# Allegro board gps_interface_boardv51ph_smoothed.brd (continued)
## Routing (per net, layer and track width the routed paths; a pad name or vN(x,y) marks a point on that pad's centre or on a via; arc(x,y) is an arc through that point) (continued)
PG_3V5: length 18.1
  TOP w0.203: v1(6.78,46.1) 7.84,45.04 arc(8.08,44.88) 8.38,44.82 U6.31
  BOTTOM w0.203: v1(6.78,46.1) 7.07,45.8 arc(7.27,45.51) 7.34,45.16 7.34,33.18 R40.1 7.3,31.2 7.27,31.17 Q3.1
PG_5V: length 11.9
  TOP w0.165: 20.47,71.3 16.48,71.3 arc(16.16,71.23) 15.89,71.06 15.26,70.43 arc(15.1,70.31) 14.9,70.27 U7.4
  TOP w0.203: v1(21.08,71.93) 20.47,71.32 20.47,71.3
  BOTTOM w0.203: Q4.1 23.67,73.71 23.63,73.67 R50.1 v1(21.08,71.93)
PGOOD_P5V5: length 4.1
  TOP w0.508: R2660.1 4.71,22.21 arc(5.42,22.07) 6.02,21.67 U100.B2
PPS_OUT_N: length 3.6
  TOP w0.33: R12.1 16.31,128.3 arc(16.49,128.58) 16.56,128.9 16.56,130.46 16.5,130.52 U2.6
PPS_OUT_P: length 3.5
  TOP w0.33: R11.1 17.21,128.17 arc(17.12,128.31) 17.09,128.47 17.09,130.46 17.15,130.52 U2.7
R_N_SFP INTERFACE_SFP1: length 1.9
  TOP w0.254: U22.15 281.61,86.08 281.57,86.13 281.57,86.34 arc(281.54,86.48) 281.46,86.6 281.11,86.94 R130.2
R_N_SFP INTERFACE_SFP2: length 1.9
  TOP w0.254: U26.15 259.54,86.18 259.49,86.23 259.49,86.44 arc(259.46,86.58) 259.38,86.7 259.04,87.05 R151.2
R_N_SFP INTERFACE_SFP3: length 1.9
  TOP w0.254: R172.2 236.74,87.05 237.08,86.7 arc(237.16,86.58) 237.19,86.44 237.19,86.23 237.24,86.18 U30.15
R_N_SFP INTERFACE_SFP4: length 1.9
  TOP w0.254: R193.2 207.53,87.05 207.87,86.7 arc(207.95,86.58) 207.98,86.44 207.98,86.23 208.03,86.18 U34.15
R_N_SFP INTERFACE_SFP5: length 1.9
  TOP w0.254: U38.15 185.73,86.18 185.68,86.23 185.68,86.44 arc(185.65,86.58) 185.57,86.7 185.23,87.05 R214.2
R_N_SFP INTERFACE_SFP6: length 1.8
  TOP w0.254: R235.2 163.1,87.05 163.45,86.7 arc(163.53,86.58) 163.56,86.44 163.56,86.23 163.61,86.18 U42.15
R_P_SFP INTERFACE_SFP1: length 3.6
  TOP w0.254: U22.14 282.11,86.08 282.16,86.13 arc(282.39,86.67) 282.16,87.22 R128.2
R_P_SFP INTERFACE_SFP2: length 3.6
  TOP w0.254: R149.2 260.09,87.32 arc(260.31,86.78) 260.09,86.23 260.04,86.18 U26.14
R_P_SFP INTERFACE_SFP3: length 3.6
  TOP w0.254: U30.14 237.74,86.18 237.79,86.23 arc(238.01,86.78) 237.79,87.32 R170.2
R_P_SFP INTERFACE_SFP4: length 3.6
  TOP w0.254: R191.2 208.58,87.32 arc(208.8,86.78) 208.58,86.23 208.53,86.18 U34.14
R_P_SFP INTERFACE_SFP5: length 3.6
  TOP w0.254: U38.14 186.23,86.18 186.28,86.23 arc(186.5,86.78) 186.28,87.32 R212.2
R_P_SFP INTERFACE_SFP6: length 3.7
  TOP w0.254: R233.2 163.35,88.44 arc(163.61,88.39) 163.82,88.25 163.91,88.16 arc(164.09,87.89) 164.15,87.57 164.15,86.23 164.11,86.18 U42.14
RECOV_ACLK_CLK_N: length 7.2
  TOP w0.203: 109.23,83.12 109.25,83.13 U48.2
  TOP w0.33: 106.57,85.65 105.45,85.65 C2738.2 ; 106.57,85.65 R2693.2 ; 106.57,85.65 107.06,85.65 arc(107.31,85.54) 107.42,85.29 107.42,84.7 arc(107.52,84.19) 107.81,83.76 108.45,83.12 109.23,83.12
RECOV_ACLK_CLK_P: length 7.2
  TOP w0.203: 109.23,83.65 109.25,83.63 U48.1
  TOP w0.33: C2737.2 105.45,86.18 106.55,86.18 ; 109.23,83.65 108.67,83.65 108.18,84.14 arc(108.01,84.4) 107.95,84.7 107.95,85.29 arc(107.69,85.92) 107.06,86.18 106.55,86.18 ; R2693.1 106.55,86.18
RS_SFP INTERFACE_ACLK SFP: length 2.7
  TOP w0.203: J30.7 v1(136.01,121.94)
  BOTTOM w0.203: R2681.2 136.02,122.52 136.01,122.51 v1(136.01,121.94)
RS_SFP INTERFACE_SFP1: length 2.7
  TOP w0.203: J13.7 v1(283.28,121.99)
  BOTTOM w0.203: R129.2 283.29,122.57 283.28,122.56 v1(283.28,121.99)
RS_SFP INTERFACE_SFP2: length 2.7
  TOP w0.203: J14.7 v1(261.21,121.94)
  BOTTOM w0.203: R150.2 261.21,122.52 261.21,122.51 v1(261.21,121.94)
RS_SFP INTERFACE_SFP3: length 2.7
  TOP w0.203: J18.7 v1(238.91,121.94)
  BOTTOM w0.203: R171.2 238.91,122.52 238.91,122.51 v1(238.91,121.94)
RS_SFP INTERFACE_SFP4: length 2.7
  TOP w0.203: J19.7 v1(209.67,121.94)
  BOTTOM w0.203: R192.2 209.68,122.52 209.67,122.51 v1(209.67,121.94)
RS_SFP INTERFACE_SFP5: length 2.7
  TOP w0.203: J20.7 v1(187.37,121.94)
  BOTTOM w0.203: R213.2 187.38,122.52 187.37,122.51 v1(187.37,121.94)
RS_SFP INTERFACE_SFP6: length 2.7
  TOP w0.203: J21.7 v1(165.25,121.94)
  BOTTOM w0.203: R234.2 165.25,122.52 165.25,122.51 v1(165.25,121.94)
RT_5V5: length 2.6
  TOP w0.165: R42.1 8.81,49.51 arc(8.87,49.21) 9.04,48.96 9.14,48.86 arc(9.32,48.59) 9.38,48.28 U6.26
SFP_RD_N: length 20.4
  TOP w0.33: U107.4 137.3,95.73 arc(137.36,96.03) 137.52,96.27 137.57,96.32 arc(137.74,96.57) 137.79,96.86 137.79,98.83 arc(137.71,99.25) 137.47,99.62 135.84,101.24 arc(135.48,101.78) 135.36,102.41 135.36,107.73 134.95,108.14 134.95,110.46 134.81,110.59 J30.12
SFP_RD_P: length 20.4
  TOP w0.33: U107.1 138.8,95.77 arc(138.74,96.05) 138.59,96.29 138.54,96.33 arc(138.38,96.57) 138.33,96.85 138.33,98.83 arc(138.2,99.46) 137.84,99.99 136.22,101.62 arc(135.98,101.98) 135.89,102.41 135.89,107.95 135.48,108.36 135.48,110.46 135.61,110.59 J30.13
SFP_TD_N_SFP INTERFACE_SFP1: length 36.9
  TOP w0.178: R126.1 R122.2 288.69,81.97 C141.2
  TOP w0.33: C141.2 288.84,83.34 arc(288.95,83.41) 289.09,83.44 290.5,83.44 arc(291.13,83.56) 291.67,83.92 293.19,85.44 arc(293.55,85.98) 293.67,86.61 293.67,92.73 arc(293.55,93.36) 293.19,93.9 287.88,99.21 arc(287.63,99.57) 287.55,100 287.55,110.51 287.68,110.64 J13.19
SFP_TD_N_SFP INTERFACE_SFP2: length 36.9
  TOP w0.178: R147.1 R143.2 266.61,82.07 C164.2
  TOP w0.33: C164.2 266.76,83.44 arc(266.88,83.51) 267.02,83.54 268.58,83.54 arc(269.21,83.67) 269.75,84.02 271.12,85.39 arc(271.48,85.93) 271.6,86.56 271.6,90.58 arc(271.48,91.21) 271.12,91.75 265.8,97.06 arc(265.56,97.42) 265.48,97.85 265.48,110.46 265.61,110.59 J14.19
SFP_TD_N_SFP INTERFACE_SFP3: length 36.9
  TOP w0.178: C187.2 244.31,82.07 R164.2 R168.1
  TOP w0.33: J18.19 243.31,110.59 243.18,110.46 243.18,97.85 arc(243.26,97.42) 243.5,97.06 248.82,91.75 arc(249.18,91.21) 249.3,90.58 249.3,86.56 arc(249.18,85.93) 248.82,85.39 247.47,84.05 arc(246.94,83.69) 246.31,83.57 244.76,83.57 arc(244.61,83.54) 244.48,83.45 C187.2
SFP_TD_N_SFP INTERFACE_SFP4: length 36.9
  TOP w0.178: R189.1 R185.2 215.1,82.07 C210.2
  TOP w0.33: J19.19 214.07,110.59 213.94,110.46 213.94,97.85 arc(214.03,97.42) 214.27,97.06 219.58,91.75 arc(219.94,91.21) 220.07,90.58 220.07,86.56 arc(219.94,85.93) 219.58,85.39 218.14,83.95 arc(217.6,83.59) 216.97,83.46 215.28,83.46 C210.2
SFP_TD_N_SFP INTERFACE_SFP5: length 36.5
  TOP w0.178: C233.2 192.8,82.07 R206.2 R210.1
  TOP w0.33: C233.2 192.97,83.45 arc(193.09,83.54) 193.25,83.57 195.35,83.57 arc(196.48,84.03) 196.95,85.17 196.95,91.18 arc(196.83,91.81) 196.47,92.35 191.97,96.85 arc(191.72,97.21) 191.64,97.64 191.64,110.46 191.77,110.59 J20.19
SFP_TD_N_SFP INTERFACE_SFP6: length 36.9
  TOP w0.178: C256.2 170.68,82.07 R227.2 R231.1
  TOP w0.33: J21.19 169.65,110.59 169.52,110.46 169.52,97.85 arc(169.6,97.42) 169.84,97.06 175.16,91.75 arc(175.52,91.21) 175.64,90.58 175.64,86.56 arc(175.52,85.93) 175.16,85.39 173.71,83.95 arc(173.18,83.59) 172.54,83.46 170.86,83.46 C256.2
SFP_TD_P_SFP INTERFACE_SFP1: length 36.1
  TOP w0.178: R123.1 R121.2 288.69,85.44 C140.2
  TOP w0.33: J13.18 286.88,110.64 287.02,110.51 287.02,100 arc(287.14,99.37) 287.5,98.83 292.81,93.52 arc(293.06,93.16) 293.14,92.73 293.14,86.61 arc(293.06,86.18) 292.81,85.82 291.29,84.3 arc(290.93,84.06) 290.5,83.97 289.17,83.97 arc(289.01,84.01) 288.86,84.1 C140.2
SFP_TD_P_SFP INTERFACE_SFP2: length 36.1
  TOP w0.178: 266.61,85.49 R142.2 ; 266.61,85.49 266.61,85.55 266.62,85.55 265.58,85.55 R144.1 ; 266.61,85.49 C163.2
  TOP w0.33: J14.18 264.81,110.59 264.94,110.46 264.94,97.85 arc(265.07,97.22) 265.43,96.68 270.74,91.37 arc(270.98,91.01) 271.07,90.58 271.07,86.56 arc(270.98,86.13) 270.74,85.77 269.37,84.4 arc(269.01,84.16) 268.58,84.07 267.1,84.07 arc(266.93,84.11) 266.79,84.2 C163.2
SFP_TD_P_SFP INTERFACE_SFP3: length 36
  TOP w0.178: C186.2 244.31,85.55 R163.2 R165.1
  TOP w0.33: J18.18 242.51,110.59 242.64,110.46 242.64,97.85 arc(242.77,97.22) 243.13,96.68 248.44,91.37 arc(248.68,91.01) 248.77,90.58 248.77,86.56 arc(248.68,86.13) 248.44,85.77 247.1,84.43 arc(246.73,84.18) 246.31,84.1 244.76,84.1 arc(244.61,84.13) 244.48,84.22 C186.2
SFP_TD_P_SFP INTERFACE_SFP4: length 36
  TOP w0.178: C209.2 215.1,85.55 R184.2 R186.1
  TOP w0.33: C209.2 215.32,84.17 arc(215.5,84.04) 215.72,84 216.97,84 arc(217.4,84.08) 217.76,84.33 219.2,85.77 arc(219.45,86.13) 219.53,86.56 219.53,90.58 arc(219.45,91.01) 219.2,91.37 213.89,96.68 arc(213.53,97.22) 213.41,97.85 213.41,110.46 213.27,110.59 J19.18
SFP_TD_P_SFP INTERFACE_SFP5: length 35.6
  TOP w0.178: C232.2 192.8,85.55 R205.2 R207.1
  TOP w0.33: J20.18 190.97,110.59 191.11,110.46 191.11,97.64 arc(191.23,97.01) 191.59,96.47 196.09,91.97 arc(196.33,91.61) 196.42,91.18 196.42,85.17 arc(196.11,84.41) 195.35,84.1 193.25,84.1 arc(193.09,84.13) 192.97,84.22 C232.2
SFP_TD_P_SFP INTERFACE_SFP6: length 36
  TOP w0.178: R228.1 R226.2 170.68,85.55 C255.2
  TOP w0.33: J21.18 168.85,110.59 168.98,110.46 168.98,97.85 arc(169.11,97.22) 169.47,96.68 174.78,91.37 arc(175.02,91.01) 175.11,90.58 175.11,86.56 arc(175.02,86.13) 174.78,85.77 173.33,84.33 arc(172.97,84.08) 172.54,84 171.3,84 arc(171.08,84.04) 170.89,84.17 C255.2
SPARE_BNC_CONN_0: length 29.7
  TOP w0.203: P1.1 289.86,8.1 arc(289.53,7.88) 289.14,7.8 288.24,7.8 arc(287.52,8.1) 287.22,8.81 287.22,9.75 arc(287.52,10.47) 288.24,10.77 288.72,10.77 arc(289.55,11.11) 289.89,11.94 289.89,15.29 arc(289.82,15.64) 289.62,15.94 289.59,15.97 arc(289.39,16.27) 289.32,16.63 R109.1 289.32,17.46 arc(289.38,17.75) 289.55,18.01 289.6,18.06 arc(289.78,18.33) 289.84,18.65 IC2.2
  BOTTOM w0.203: P1.1 291.82,9.17 arc(292.26,9.27) 292.61,9.55 TP79.1
SPARE_BNC_CONN_1: length 25.9
  TOP w0.165: 290.86,17.79 290.87,17.78 ; 290.34,11.12 290.32,11.14
  TOP w0.203: 290.87,17.78 R108.1 290.87,16.66 arc(290.8,16.32) 290.61,16.04 290.58,16.01 arc(290.39,15.72) 290.32,15.38 290.32,11.14 ; 290.86,17.79 290.86,18.01 arc(290.82,18.17) 290.73,18.31 290.59,18.46 arc(290.41,18.72) 290.34,19.04 IC2.3 ; P1.3 290.34,11.12
  BOTTOM w0.203: P1.3 289.36,8.2 arc(289.69,7.98) 290.08,7.9 293.76,7.9 arc(294.23,8.01) 294.59,8.33 TP78.1
SPARE_LEMO_CONN_0: length 38.2
  TOP w0.203: IC1.2 282.83,18.94 arc(282.77,18.6) 282.57,18.31 282.54,18.28 arc(282.35,17.99) 282.28,17.65 R105.1 282.28,16.55 arc(282.35,16.2) 282.55,15.9 282.58,15.87 arc(282.78,15.57) 282.85,15.21 282.85,11.37 arc(282.78,10.98) 282.56,10.65 282.24,10.33 arc(282.02,10) 281.94,9.61 281.94,8.89 arc(282.24,8.17) 282.96,7.87 284.14,7.87 arc(284.52,7.95) 284.85,8.17 P1.5
  SIG w0.203: TP77.1 272.36,15.16 arc(272.75,15.09) 273.08,14.87 273.84,14.1 arc(274.17,13.88) 274.56,13.8 284.7,13.8 arc(285.51,13.47) 285.85,12.65 P1.5
SPARE_LEMO_CONN_1: length 26.6
  TOP w0.203: P1.7 283.31,15.14 arc(283.38,15.49) 283.58,15.79 283.61,15.82 arc(283.81,16.12) 283.88,16.47 R104.1 283.88,17.68 arc(283.81,18.02) 283.62,18.31 283.59,18.34 arc(283.4,18.62) 283.33,18.97 IC1.3
  SIG w0.203: P1.7 280.82,11.67 arc(280.49,11.89) 280.1,11.96 TP76.1
SPARE_RJ45_CM: length 18.5
  BOTTOM w0.165: TP27.1 232.64,18.72 arc(232.91,18.9) 233.23,18.96 C129.1 236.45,19.49 236.46,19.51 R116.1 R117.1 238.11,19.5 238.1,19.49 C127.1 239.1,18.96 239.12,18.99 C128.1 241.82,18.99 arc(242.13,18.93) 242.4,18.75 242.42,18.73 arc(242.69,18.55) 243,18.49 J17.P1
SQUELCH: length 3.6
  TOP w0.17: U104.27 142.79,69.56 arc(143.05,69.51) 143.27,69.36 R2687.1
SS_2V5: length 35.3
  TOP w0.17: U12.13 40.76,64.54 arc(40.65,64.56) 40.55,64.63 40.47,64.71 arc(40.35,64.76) 40.23,64.71 v1(40.13,64.62) C85.1 ; C2710.1 v1(40.13,46.61) 40.23,46.7 arc(40.35,46.75) 40.47,46.7 40.51,46.67 arc(40.65,46.57) 40.83,46.53 U101.13
  BOTTOM w0.33: v1(40.13,46.61) 36.12,46.61 arc(34.95,47.09) 34.47,48.26 34.47,58.17 arc(34.95,59.33) 36.12,59.82 38.48,59.82 arc(39.65,60.3) 40.13,61.47 v1(40.13,64.62)
SS_3V3_1: length 3.6
  TOP w0.17: C65.1 40.11,83.37 arc(40.35,82.79) 40.93,82.55 U9.13
SS_3V3_2: length 3.6
  TOP w0.17: C76.1 40.08,98.23 arc(40.32,97.65) 40.9,97.41 U11.13
SS_5V: length 3
  TOP w0.17: C57.1 8.7,71.45 10.17,69.98 arc(10.4,69.83) 10.68,69.77 U7.13
SYNC_OUT_N: length 3.6
  TOP w0.33: U3.6 41.92,130.49 41.98,130.44 41.98,128.82 arc(41.92,128.52) 41.76,128.27 R16.1
SYNC_OUT_P: length 3.5
  TOP w0.33: R15.1 42.69,128.22 arc(42.56,128.42) 42.51,128.64 42.51,130.44 42.57,130.49 U3.7
TEMP_ADDR: length 5.5
  TOP w0.203: U46.7 U46.6 U46.5 R253.1
THRADJ: length 2.4
  TOP w0.17: U104.9 134.29,72.06 arc(134.09,72.1) 133.91,72.22 R2686.2 133.73,72.4 C2733.2
VP2V5: length 1.7
  TOP w0.203: U13.11 56.97,59.08 arc(56.94,59.24) 56.85,59.38 56.69,59.54 56.69,59.72 v1(56.6,59.8)
  vias: v1(50.93,63.59) v1(66.76,61.19)
VP3V3: length 7.4
  TOP w0.203: U10.11 v1(61.44,81.05)
  BOTTOM w0.203: v1(61.44,81.05) v1(55.19,81.05)
VP3V5: length 65.5
  TOP w0.165: U9.17 43.75,80.3 43.74,80.29 ; 41.96,82.04 41.97,82.05 U9.14 ; 43.76,62.28 43.77,62.29 U12.17 ; 41.99,64.03 41.99,64.04 U12.14
  TOP w0.17: 9.38,43.19 U6.1
  TOP w0.203: v1(5.8,42.63) 8.82,42.63 arc(9.22,42.79) 9.38,43.19
  BOTTOM w1.016: v1(26.75,49.71) 26.75,54.76 arc(25.99,56.59) 24.16,57.35 5.54,57.35 arc(2.81,56.22) 1.68,53.49 1.68,44.07 arc(1.92,43.48) 2.52,43.23 C51.1 4.15,43.23 4.16,43.24 R41.1 v1(5.8,42.63)
  BOTTOM w1.27: TP11.1 25.83,36.09 arc(23.46,37.08) 22.48,39.45 v1(22.48,42.44)
  vias: v1(26.75,48.67) v1(26.75,47.62) v1(26.75,46.58) v1(26.75,45.54) v1(26.75,44.5) v1(26.75,43.46) v1(26.75,42.42) v1(26.75,41.38) v1(36.55,81.66) v1(36.55,80.59) v1(36.55,79.53) v1(36.58,63.6) v1(36.58,62.53) v1(36.58,61.47) v1(36.6,45.64) v1(36.6,44.58) v1(36.6,43.51) v1(37.62,81.66) v1(37.62,80.59) v1(37.62,79.53) v1(37.64,63.6) v1(37.64,62.53) v1(37.64,61.47) v1(37.67,45.64) v1(37.67,44.58) v1(37.67,43.51) v1(38.68,81.66) v1(38.68,80.59) v1(38.68,79.53) v1(38.71,63.6) v1(38.71,62.53) v1(38.71,61.47) v1(38.73,45.64) v1(38.73,44.58) v1(38.73,43.51)
VP5V: length 20.3
  TOP w0.165: U7.19 13.33,67.52 13.34,67.51
  TOP w0.203: v1(23.11,64.85) 24.24,64.85 arc(24.8,64.62) 25.03,64.06 U8.12 U8.11
  BOTTOM w0.165: TP15.1 19.06,67.22 arc(18.8,67.4) 18.48,67.46 15.82,67.46 arc(15.2,67.72) 14.95,68.34 R46.1
  BOTTOM w0.203: C58.2 v1(23.11,64.85) 21.86,64.85 arc(21.47,64.92) 21.14,65.14 TP15.1
VP5V5: length 20.8
  TOP w0.165: 10.54,69.27 10.55,69.27 U7.14 ; U7.17 12.33,67.52 12.32,67.51
  TOP w0.508: U100.H5 v1(14.8,25.42) ; U100.H3 v1(14.8,22.88) ; U100.G4 v1(13.53,24.15) ; R2660.2 2.92,25.31 arc(3.36,26.36) 4.41,26.8 11.63,26.8 arc(12.08,26.61) 12.27,26.16 12.27,25.43 v1(12.26,25.42) U100.F5 ; U100.H4 v1(14.8,24.15) ; U100.F3 v1(12.26,22.88) ; U100.G5 v1(13.53,25.42) ; U100.F4 v1(12.26,24.15) ; U100.G3 v1(13.53,22.88)
  vias: v1(5.13,67.44) v1(5.13,66.07) v1(5.18,68.78) v1(6.25,67.46) v1(6.27,68.78) v1(6.27,66.07) v1(7.42,68.78) v1(7.47,67.51) v1(7.47,66.07)
VP12V: length 9.7
  TOP w0.165: 11.38,43 11.38,43.01 U6.5 ; U6.22 11.38,48.13 11.38,48.13 ; U6.21 11.88,48.13 11.89,48.13 ; U6.23 10.88,48.14 10.9,48.16 ; 11.89,43.03 11.88,43.03 U6.6 ; 10.79,48.95 10.07,48.22 arc(9.93,48.01) 9.88,47.77 U6.25 ; 10.87,43 10.88,43.01 U6.4
  TOP w0.508: U100.A5 v1(4.81,25.42) ; U100.A1 v1(4.81,19.24) ; U100.B5 v1(6.08,25.42) ; U100.B4 v1(6.08,24.15) ; U100.A4 v1(4.81,24.15)
  vias: v1(10.46,40.77) v1(10.46,39.73) v1(10.46,38.66) v1(10.64,52.65) v1(10.67,51.74) v1(10.67,50.77) v1(11.4,48.97) v1(11.38,41.94) v1(11.99,52.6) v1(12.01,51.71) v1(34.92,31.5) v1(34.87,30.15) v1(34.87,28.78) v1(36.02,31.5) v1(35.99,30.18) v1(36.02,28.78) v1(37.16,31.5) v1(37.21,30.23) v1(37.21,28.78) v1(38.43,30.15) v1(38.43,28.78) v1(38.48,31.5)
VREF: length 1.6
  TOP w0.17: U104.3 138.29,73.64 arc(138.33,73.84) 138.45,74.02 C2734.1
N00534: length 5.2
  BOTTOM w0.203: C1.1 86.99,136.89 86.98,136.89 R4.1 R2.2
N00638: length 3.5
  TOP w0.203: v1(79.45,135.99) 79.66,135.78 arc(79.79,135.59) 79.84,135.35 U1.4
  BOTTOM w0.203: C3.1 79.85,136.65 arc(79.8,136.41) 79.66,136.2 v1(79.45,135.99)
N01450: length 1.7
  TOP w0.17: C2732.1 133.68,69.74 arc(133.88,69.6) 134.12,69.56 U104.14
N01454: length 1.7
  TOP w0.17: C2732.2 133.59,69.06 U104.15
N01590: length 2.7
  TOP w0.203: U1.7 78.48,131.09 78.47,131.1 R9.1
N02604: length 14.2
  TOP w0.203: R266.1 66.6,133.43 arc(66.24,133.35) 65.93,133.15 65.9,133.12 arc(65.6,132.91) 65.23,132.84 62.16,132.84 arc(61.77,132.76) 61.44,132.54 61.35,132.45 arc(61.04,132.25) 60.68,132.17 R10.2
  TOP w0.305: U47.1 64.72,134.37 64.85,134.24 v1(65.4,134.24) 65.7,134.54 arc(65.98,134.73) 66.32,134.8 R265.2 R266.1
  BOTTOM w0.305: v1(65.4,134.24) C5.1
N02878: length 1.9
  TOP w0.203: U47.5 61.75,131.27 61.75,131.27 R10.1
N89867: length 1.5
  TOP w0.165: R21.2 115.11,74.11 arc(115.03,74.23) 115.01,74.36 U48.25
N89871: length 3.4
  TOP w0.165: U48.4 106.94,82.13 R20.2
N89889: length 3.5
  TOP w0.165: U48.3 108.16,82.63 arc(107.87,82.69) 107.62,82.86 107.53,82.95 arc(107.35,83.07) 107.14,83.11 R22.2
N89893: length 1.5
  TOP w0.165: U48.48 119.88,83.63 arc(120.15,83.69) 120.39,83.85 R19.2
N89897: length 41
  TOP w0.17: v1(114.94,70.92) 115.1,71.08 arc(115.2,71.24) 115.24,71.42 R21.1 ; R20.1 R22.1 105.97,83.12 arc(105.84,83.42) 105.97,83.72 v1(106.38,84.12) ; R19.1 v1(120.62,85.67)
  BOTTOM w0.17: v1(120.62,85.67) 120.62,83.44 arc(120.31,82.68) 119.56,82.37 111.1,82.37 ; 111.1,82.37 108.48,82.37 arc(108.15,82.44) 107.88,82.62 v1(106.38,84.12) ; 111.1,82.37 110.05,81.33 arc(109.87,81.05) 109.8,80.72 109.8,71.19 arc(109.87,70.87) 110.05,70.59 110.67,69.97 arc(110.95,69.79) 111.27,69.72 112.88,69.72 arc(113.21,69.79) 113.48,69.97 114.26,70.75 arc(114.45,70.87) 114.66,70.92 v1(114.94,70.92)
N90109: length 1.5
  TOP w0.165: U48.19 112.01,74.47 112.01,74.47 R26.2
N90113: length 1.6
  TOP w0.165: U48.17 111.01,75.07 arc(110.96,74.81) 110.81,74.59 110.6,74.38 arc(110.52,74.26) 110.49,74.12 R25.2
N90529: length 5.6
  TOP w0.203: R23.2 104.92,79.07 arc(105,79.13) 105.1,79.15 106.46,79.15 arc(106.78,79.08) 107.05,78.9 107.08,78.88 arc(107.35,78.7) 107.66,78.63 U48.11
N91101: length 7.8
  TOP w0.165: C36.1 112.85,88.86 arc(112.81,89.07) 112.69,89.25 112.63,89.31 arc(112.54,89.45) 112.5,89.62 112.5,89.67 arc(112.55,89.79) 112.67,89.84 113.36,89.84 arc(113.51,89.77) 113.57,89.63 113.57,85.16 113.51,85.09 U48.59
N91105: length 8.9
  TOP w0.165: U48.58 114.01,85.09 113.94,85.16 113.94,89.63 arc(113.77,90.04) 113.36,90.2 112.67,90.2 arc(112.29,90.05) 112.13,89.67 112.13,89.65 arc(112.09,89.45) 111.98,89.28 111.95,89.25 arc(111.83,89.07) 111.79,88.86 C37.1
N107878: length 1.3
  TOP w0.165: U48.39 120.44,79.13 R24.2
N127138: length 8
  TOP w0.203: U1.3 80.34,135.82 80.36,135.84 80.36,135.86 v1(80.98,136.47)
  BOTTOM w0.203: C1.2 85.13,135.64 arc(84.74,135.71) 84.41,135.93 84.17,136.18 arc(83.84,136.4) 83.45,136.47 v1(80.98,136.47)
N140138: length 5.6
  TOP w0.165: U6.15 15.1,46.32 15.11,46.3 ; 15.11,45.82 15.11,45.82 U6.14 ; U6.16 15.11,46.82 15.11,46.81 ; U6.12 15.12,44.82 15.14,44.83 ; 15.11,45.31 15.11,45.32 U6.13 ; L6.1 17.21,45.49 17.21,42.95
N146225: length 0.9
  TOP w0.165: 44.75,80.29 44.75,80.3 U9.19 ; 46.53,82.02 46.5,82.05 U9.2
N146320: length 2.5
  TOP w0.17: v1(46.15,85.19) 46.07,85.19 U9.6
  BOTTOM w0.17: R63.1 45.75,85.5 arc(45.83,85.28) 46.05,85.19 v1(46.15,85.19)
N146332: length 1.9
  TOP w0.17: U9.11 v1(41.59,83.55)
  BOTTOM w0.17: v1(41.59,83.55) 41.03,83.55 41.02,83.57 R65.1
N146446: length 2.3
  TOP w0.17: v1(42.6,85.14) 42.86,85.14 arc(43.13,85.03) 43.25,84.76 U9.10
  BOTTOM w0.17: v1(42.6,85.14) 42.6,85.28 arc(42.61,85.36) 42.66,85.43 42.68,85.46 arc(42.73,85.53) 42.75,85.61 R64.1
N179430: length 1.6
  TOP w0.165: C34.1 117.39,85.8 arc(117.48,85.66) 117.51,85.51 U48.51
N179442: length 1.7
  TOP w0.165: C35.1 118.17,85.75 arc(118.05,85.56) 118.01,85.34 U48.50
N180853: length 13.4
  TOP w0.33: C34.2 117.25,87.29 arc(117.3,87.56) 117.45,87.79 117.56,87.9 arc(117.76,88.2) 117.83,88.55 117.83,96.94 arc(117.7,97.57) 117.35,98.11 116.82,98.64 arc(116.62,98.93) 116.56,99.28 J100.3
N180901: length 13.2
  TOP w0.33: J101.3 119.69,99.32 arc(119.63,99.01) 119.46,98.75 118.85,98.15 arc(118.49,97.61) 118.36,96.98 C35.2
N185241: length 0.5
  TOP w0.165: U11.2 46.47,96.91 46.51,96.88
N222361: length 8
  TOP w0.203: R2689.1 R2691.1 131.66,97.85 arc(131.51,98.22) 131.14,98.37 128.87,98.37 arc(128.64,98.42) 128.46,98.54 128.43,98.57 arc(128.24,98.7) 128.02,98.74 D42.1
N222457: length 30.6
  TOP w0.17: 134.47,98.76 v1(134.7,98.53) 134.44,98.27 ; v1(146.75,91.4) 147.23,91.4 arc(147.78,91.63) 148.01,92.18 U106.4
  TOP w0.203: 134.47,98.76 134.47,106.95 arc(134.2,107.6) 133.56,107.86 D43.2 ; R2689.2 134.44,98.27
  SIG w0.17: v1(134.7,98.53) 140.9,98.53 arc(141.22,98.46) 141.5,98.28 146.5,93.28 arc(146.68,93) 146.75,92.68 v1(146.75,91.4)
N222469: length 3.5
  TOP w0.203: v1(130.65,106.6) 131,106.25 arc(131.45,106.07) 131.9,106.25 131.91,106.26 D43.1
  BOTTOM w0.203: R2690.1 v1(130.65,106.6)
N224400: length 130.1
  TOP w0.203: v1(217.37,32.13) 214.75,29.51 arc(214.53,29.18) 214.45,28.79 214.45,17.86 arc(214.66,17.35) 215.17,17.14 U53.16 ; J18.2 v1(242.91,122.03)
  SIG w0.165: v1(217.37,32.13) 217.37,52.92 arc(217.44,53.24) 217.62,53.51 226.28,62.17 arc(226.45,62.43) 226.52,62.75 226.52,77.41 arc(226.58,77.72) 226.76,77.99 v1(228.19,79.43) 228.19,84.11 arc(228.26,84.43) 228.44,84.7 229.58,85.84 arc(229.76,86.11) 229.82,86.42 229.82,114.01 arc(229.88,114.32) 230.06,114.59 234.5,119.04 arc(234.68,119.3) 234.75,119.62 234.75,121.72 arc(235.11,122.6) 235.99,122.96 239.69,122.96 arc(240,122.9) 240.27,122.72 240.72,122.27 arc(240.99,122.09) 241.3,122.03 v1(242.91,122.03)
  BOTTOM w0.165: U32.1 230.77,81.66 arc(230.45,81.6) 230.19,81.42 v1(228.19,79.43)
  BOTTOM w0.203: R166.2 242.91,123.01 v1(242.91,122.03)
N224404: length 121.4
  TOP w0.203: v1(218.67,32.11) 217.62,31.06 arc(217.4,30.73) 217.32,30.34 217.32,18.47 arc(217.12,17.99) 216.64,17.79 U53.15 ; J18.8 238.11,121.77 arc(238.05,121.91) 237.91,121.97 v1(237.85,121.97)
  SIG w0.165: v1(218.67,32.11) 218.67,48.55 arc(218.73,48.87) 218.91,49.14 228.21,58.43 arc(228.38,58.7) 228.45,59.02 228.45,78.14 arc(228.51,78.46) 228.69,78.73 v1(229.31,79.35) 229.31,83.99 arc(229.37,84.3) 229.55,84.57 230.19,85.2 arc(230.37,85.47) 230.43,85.79 230.43,113.68 arc(230.49,113.99) 230.67,114.26 234.91,118.5 arc(235.18,118.68) 235.5,118.75 235.55,118.75 arc(235.86,118.81) 236.13,118.99 237.6,120.46 arc(237.78,120.73) 237.85,121.04 v1(237.85,121.97)
  BOTTOM w0.165: U32.2 232.54,81.05 arc(232.37,80.64) 231.96,80.47 230.77,80.47 arc(230.45,80.4) 230.19,80.23 v1(229.31,79.35)
  BOTTOM w0.203: v1(237.85,121.97) 237.97,122.1 R167.2
N224432: length 149.8
  TOP w0.203: v1(209.8,31.17) 212,28.97 arc(212.22,28.64) 212.29,28.26 212.29,15.56 arc(212.59,14.84) 213.31,14.54 U53.20 ; J19.2 v1(213.67,122.03)
  SIG w0.165: v1(209.8,31.17) 210.32,30.65 arc(210.59,30.47) 210.91,30.4 211.26,30.4 arc(211.73,30.6) 211.93,31.07 211.93,36.01 arc(211.86,36.32) 211.68,36.59 210.81,37.46 arc(210.63,37.73) 210.57,38.05 210.57,42.48 arc(210.63,42.8) 210.81,43.07 211.31,43.57 arc(211.49,43.84) 211.56,44.16 211.56,61.02 arc(211.49,61.34) 211.31,61.61 200.8,72.12 arc(200.62,72.39) 200.56,72.71 v1(200.56,82.47) 201.82,83.73 arc(201.99,84) 202.06,84.31 202.06,99.32 arc(202.12,99.64) 202.3,99.9 202.88,100.49 arc(203.06,100.76) 203.12,101.07 203.12,103.2 arc(203.06,103.51) 202.88,103.78 201.97,104.69 arc(201.79,104.96) 201.73,105.28 201.73,106.34 arc(201.79,106.65) 201.97,106.92 203.36,108.32 arc(203.63,108.5) 203.95,108.56 218.95,108.56 arc(220.12,109.04) 220.6,110.21 220.6,120.82 arc(220.36,121.4) 219.77,121.64 214.32,121.64 arc(214.08,121.69) 213.88,121.82 v1(213.67,122.03)
  BOTTOM w0.165: v1(200.56,82.47) 201.98,82.47 arc(202.26,82.36) 202.37,82.08 U36.1
  BOTTOM w0.203: v1(213.67,122.03) 213.67,123.01 R187.2
N224436: length 151.9
  TOP w0.203: J19.8 208.87,121.77 arc(208.81,121.91) 208.67,121.97 v1(208.61,121.97) ; v1(210.95,31.17) 213.14,28.97 arc(213.36,28.64) 213.44,28.26 213.44,16.41 arc(213.79,15.55) 214.65,15.19 U53.19
  SIG w0.165: v1(210.95,31.17) 210.95,35.57 arc(210.88,35.89) 210.71,36.16 209.92,36.94 arc(209.74,37.21) 209.68,37.53 209.68,42.71 arc(209.74,43.03) 209.92,43.29 210.71,44.08 arc(210.88,44.35) 210.95,44.67 210.95,60.59 arc(210.88,60.91) 210.71,61.18 200.06,71.82 arc(199.88,72.09) 199.82,72.4 v1(199.82,83.21) 201.31,84.7 arc(201.49,84.96) 201.55,85.28 201.55,99.53 arc(201.61,99.85) 201.79,100.11 202.37,100.7 arc(202.55,100.97) 202.62,101.28 202.62,102.99 arc(202.55,103.3) 202.37,103.57 201.46,104.48 arc(201.28,104.75) 201.22,105.07 201.22,106.49 arc(201.28,106.81) 201.46,107.07 205.29,110.91 arc(205.56,111.09) 205.88,111.15 218.82,111.15 arc(219.72,111.52) 220.09,112.42 220.09,120.26 arc(219.85,120.84) 219.27,121.08 213.67,121.08 arc(213.09,121.32) 212.85,121.9 212.85,121.94 arc(212.61,122.52) 212.03,122.76 209.27,122.76 arc(208.8,122.56) 208.61,122.1 v1(208.61,121.97)
  BOTTOM w0.165: U36.2 203.33,82.45 arc(203.1,82.99) 202.57,83.21 v1(199.82,83.21)
  BOTTOM w0.203: v1(208.61,121.97) 208.74,122.1 R188.2
N224464: length 214.7
  TOP w0.203: v1(207.42,31.17) 209.63,28.95 arc(209.85,28.62) 209.93,28.23 209.93,18.44 arc(209.13,16.51) 207.21,15.72 U52.7 ; J20.2 v1(191.37,122.03)